# KiCad board zone-controller.kicad_pcb (continued)
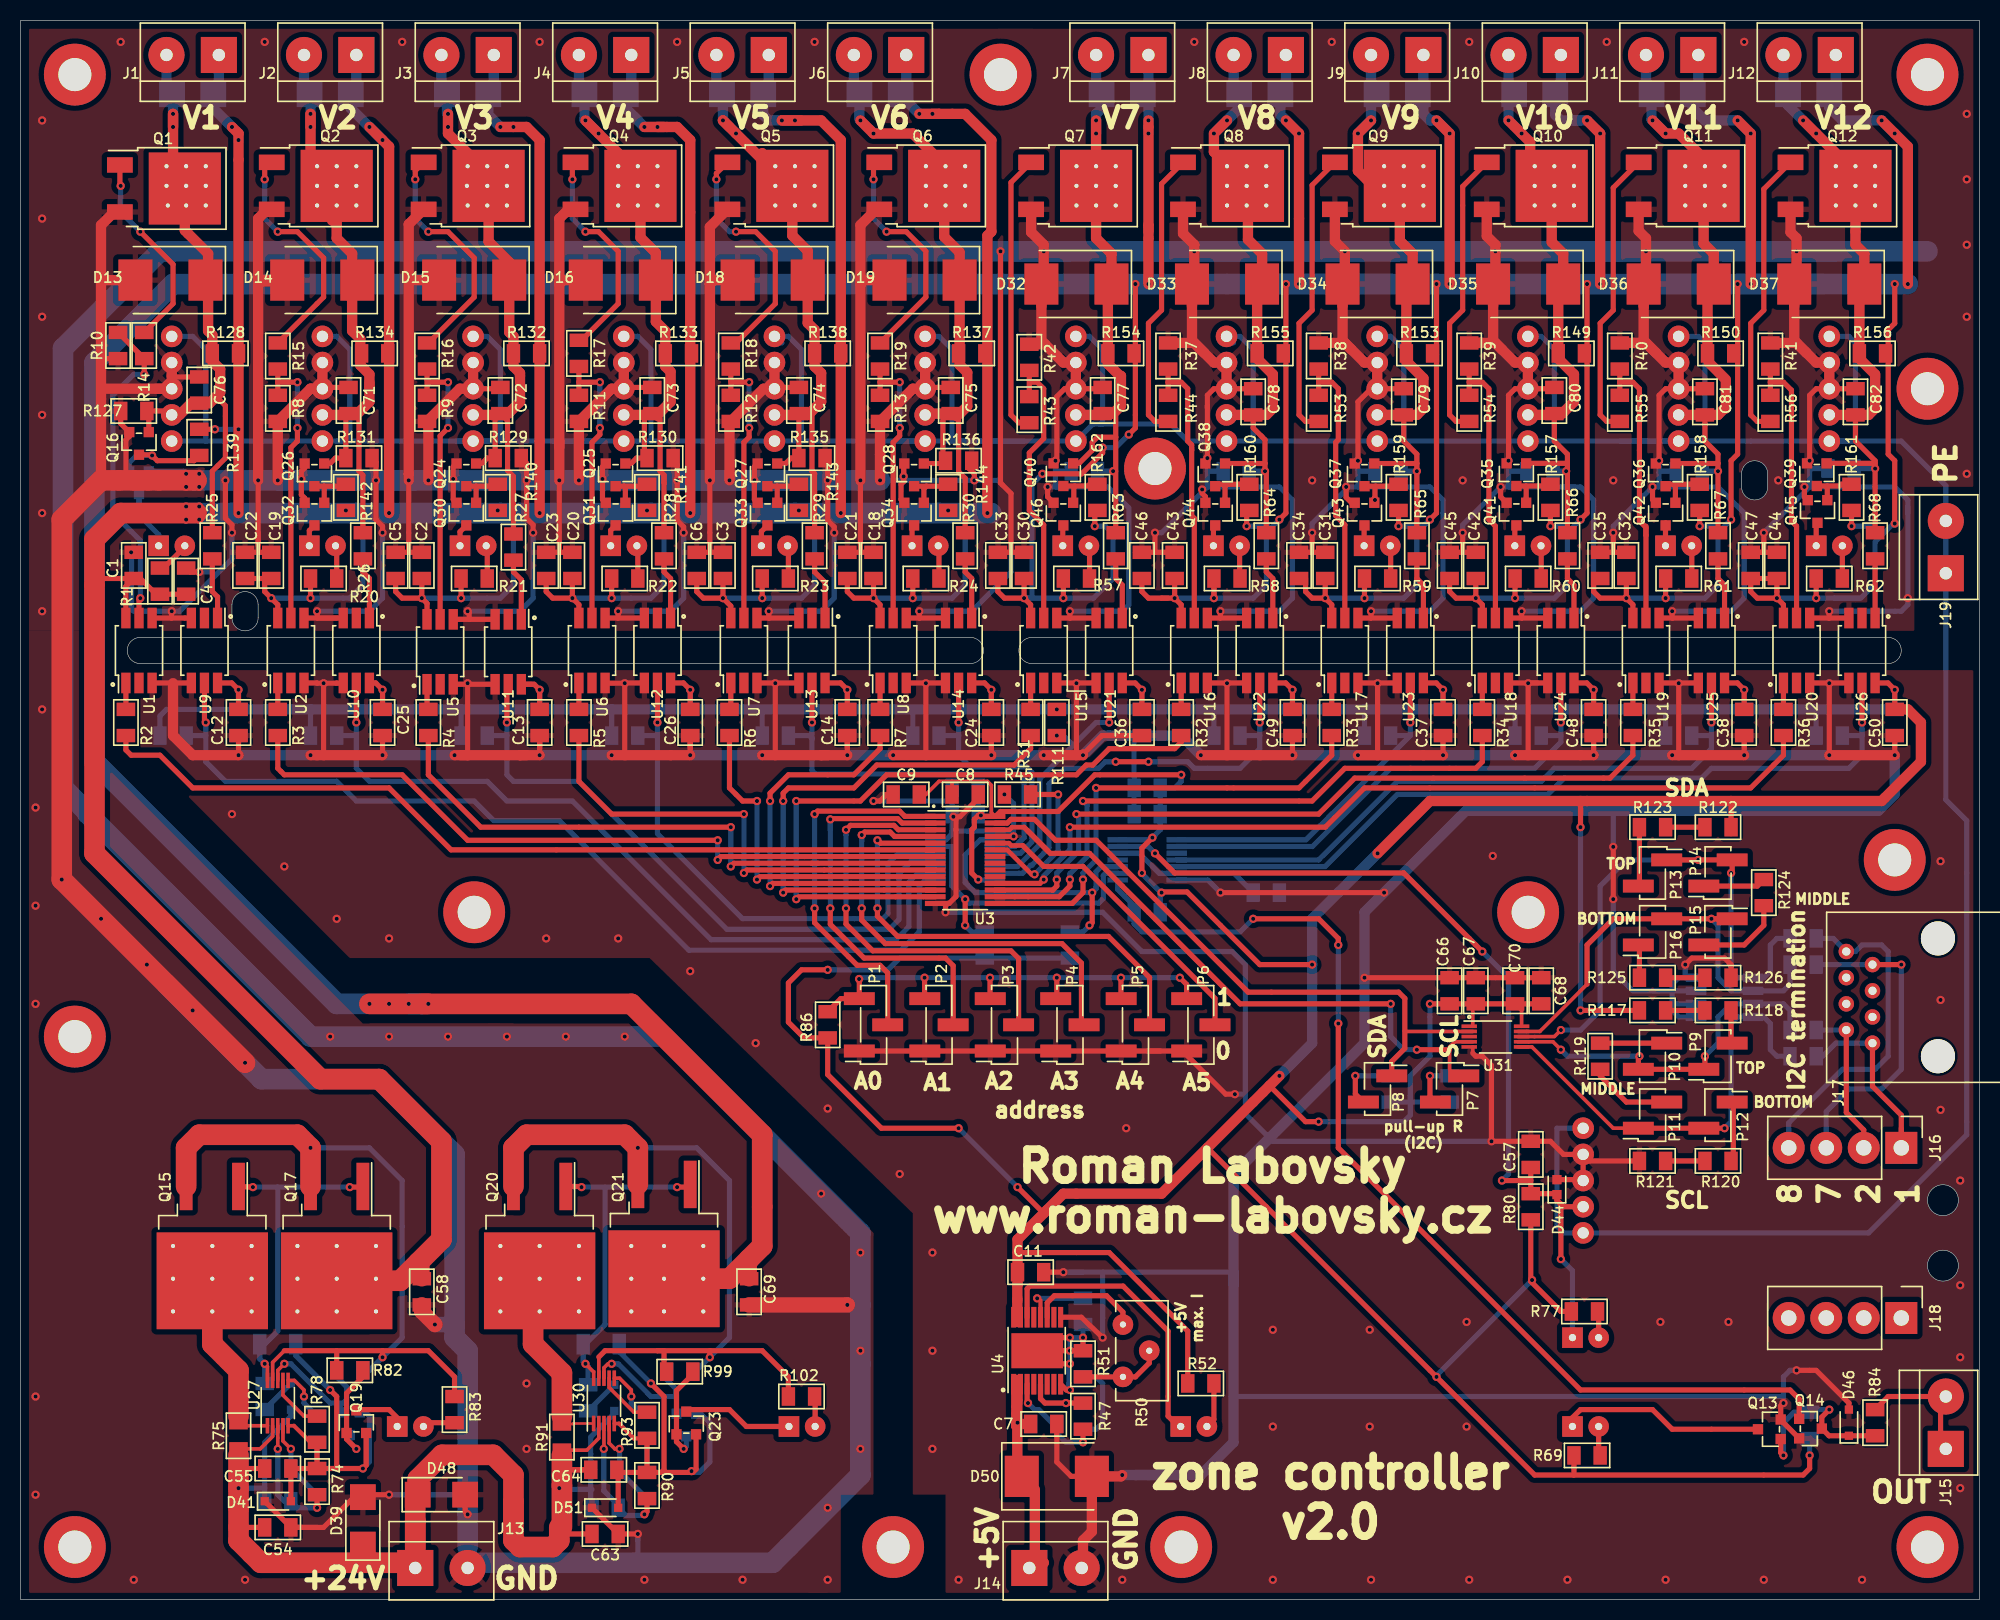
[diagram p0: board, top side]
## Routing (per net, layer and track width the routed paths; a pad name or vN(x,y) marks a point on that pad's centre or on a via; arc(x,y) is an arc through that point) (continued)
  Top w0.5: v1(165.28,45.72) 156.92,45.72
  Bottom w0.5: 168.45,56.51 167.4,56.51 ; v1(165.28,45.72) 165.91,46.35 165.91,55.88 166.55,56.51 D52.4 169.09,56.51 169.72,55.88 169.72,53.34 170.36,52.7 R97.2
/Differential I2C bus/DSCL_N_CON: length 21.1
  Top w0.5: 182.42,45.72 182.42,42.54 J16.1 182.42,46.99 179.63,49.78 J17.1
  Bottom w0.5: 174.81,52.7 176.08,53.98 J17.1
/Differential I2C bus/DSCL_P: length 44.9
  Top w0.35: 145.25,54.11 148.63,54.11 v1(149.4,53.34)
  Top w0.5: v1(163.38,52.7) 163.38,51.54 P9.1 P10.2 156.92,52.6 v1(157.02,52.7)
  Bottom w0.25: 153.21,52.7 v1(157.02,52.7) ; 153.21,52.7 150.67,52.7 ; 153.21,52.7 150.04,52.7
  Bottom w0.5: v1(157.02,52.7) 150.04,52.7 v1(149.4,53.34) ; v1(163.38,52.7) 164.64,53.97 164.64,56.51 165.91,57.78 D52.3 171,57.78 171.63,57.15 R96.2
/Differential I2C bus/DSCL_P_CON: length 16.3
  Top w0.5: J17.2 177.09,47.24 178.78,45.55 178.78,42.54
  Bottom w0.5: 177.09,55.25 J17.2 174.17,55.25 R96.1
/Differential I2C bus/DSDA_N: length 45.2
  Top w0.35: 151.94,59.69 147.36,55.11 145.25,55.11
  Top w0.5: 151.94,59.69 151.94,63.5 154.48,66.04 P16.2 P15.1 v1(164.01,66.04)
  Bottom w0.5: R95.2 171.63,59.69 171,59.05 165.91,59.05 164.64,60.32 164.64,65.41 v1(164.01,66.04)
/Differential I2C bus/DSDA_N_CON: length 30.9
  Top w0.5: v1(182.42,61.59) 179.63,61.6
  Bottom w0.5: v1(182.42,61.59) 182.42,51.44 180.52,49.53 177.34,49.53 175.14,47.33 J16.3 ; 179.63,61.6 174.17,61.6 R95.1
/Differential I2C bus/DSDA_P: length 59.7
  Top w0.35: 145.25,54.61 148.77,54.61 ; v1(149.4,55.25) 148.85,54.69
  Top w0.5: P13.1 v1(162.74,71.75) P14.2 166.02,70.59 v1(165.91,70.48)
  Bottom w0.5: 168.45,60.32 166.55,60.32 ; v1(162.74,71.75) 155.75,71.75 153.21,69.22 153.21,57.15 151.31,55.25 v1(149.4,55.25) ; 166.55,60.32 D52.1 169.09,60.32 169.72,60.96 169.72,63.5 170.36,64.13 R94.2 ; 166.55,60.32 165.91,60.96 v1(165.91,70.48)
/Differential I2C bus/DSDA_P_CON: length 36
  Bottom w0.5: R94.1 175.82,64.13 J17.8 177.98,62.87 178.61,63.5 180.52,63.5 181.15,62.86 181.15,52.7 179.88,51.44 176.71,51.44 171.5,46.23 J16.4 ; 171.5,42.54 171.5,45.59
/Power supply/INPUT_24V: length 124.8
  Top w0.35: 24.45,15.81 23.24,14.6 R75.2 ; 24.45,15.84 U27.2 ; U30.2 56.08,15.64 54.92,14.48 R91.2
  Top w0.5: 23.04,6.98 C54.1 21.14,6.98 ; 52.5,12.06 53.01,12.57 53.65,12.57 ; 55.68,12.57 53.65,12.57 ; 53.65,12.57 C64.2 ; C63.1 53.14,6.35 52.5,6.98 52.63,6.86 ; 21.14,13.33 21.77,12.7 C55.2
  Top w2: 38.28,7.62 38.28,9.92 D48.1 38.52,11.67 40.87,14.02 45.85,14.02 47.8,12.06 47.8,9.53 ; 38.28,7.62 38.28,5.08 ; 38.28,7.62 38.28,3.56 33.58,3.56 ; 47.8,9.53 47.8,5.72 48.44,5.08 51.61,5.08 52.25,5.72 52.25,6.98 ; 47.8,9.53 47.8,7.62 ; 21.14,13.97 v1(21.14,10.79) 21.14,5.72 23.29,3.56 33.58,3.56 ; 33.58,3.56 33.83,3.81 ; 33.58,3.56 33.2,3.94 D39.1 ; 52.5,6.98 52.5,13.97
  Bottom w0.5: D49.1 57.58,18.03 55.3,15.75 C64.2 55.3,10.67 ; 23.67,10.79 C55.2 23.67,15.24 26.21,17.78 D40.1 ; 23.67,10.79 R73.1 ; 23.67,10.79 v1(21.14,10.79) ; 55.3,10.67 52.63,10.67 52.5,10.79 ; 55.3,10.67 55.3,9.02 R89.1 ; 52.89,10.67 55.42,10.67
  vias: v1(52.25,10.79)
/PUMP_ACTIVE_0: length 17.4
  Top w0.5: R84.2 D46.1 175.41,15.88 Q14.3 174.72,17.69 v1(175.44,18.41) ; v1(171,13.97) 170.72,14.24 Q13.1
  Bottom w0.5: v1(171,13.97) 171,17.14 172.01,18.16 R72.2 173.79,18.41 v1(175.44,18.41)
/PUMP_SWITCH: length 87.9
  Top w0.5: 146.48,40.64 v1(143.69,40.64) ; 146.48,40.64 R80.2 148.93,39.37 D44.1 149.02,38.73 149.34,38.42 ; 146.48,40.64 C57.1 ; 149.34,38.42 149.66,38.1 SW13.2 ; 149.34,38.42 149.4,38.35 v1(149.4,33.02) ; v1(141.78,62.86) 134.16,70.48 111.94,70.48 v1(110.03,72.39)
  Bottom w0.5: v1(141.78,62.86) 144.32,60.32 144.32,41.28 v1(143.69,40.64) ; U29.13 109.37,73.05 v1(110.03,72.39) ; D42.1 150.53,31.9 v1(149.4,33.02)
Earth_Protective: length 479.3
  Bottom w0.5: SW10.5 147.5,122.55 148.77,121.28 148.77,112.39 ; 104.7,114.05 111.56,114.05 113.21,112.39 119.56,112.39 ; 104.7,114.05 104.01,114.05 SW7.1 ; 104.7,114.05 104.95,114.05 104.95,121.28 103.68,122.55 SW7.5 ; 17.96,112.39 14.02,112.39 ; 17.96,112.39 17.96,121.28 16.69,122.55 SW1.5 ; 17.96,112.39 31.93,112.39 31.93,121.28 30.66,122.55 28.75,122.55 ; 90.98,112.39 SW7.1 ; SW7.1 102.8,112.39 103.18,112.78 ; 44.63,112.39 46.53,112.39 ; 46.53,112.39 56.7,112.39 ; 46.53,112.39 46.53,121.28 45.27,122.55 SW3.5 ; 91.62,112.39 90.35,112.39 90.35,121.28 89.08,122.55 SW6.5 ; SW13.5 149.02,45.72 149.02,36.19 149.66,35.56 179.25,35.56 188.77,45.08 188.77,75.56 186.74,77.6 J19.2 186.74,108.08 182.42,112.39 SW12.1 ; 119.56,112.39 119.56,121.28 118.29,122.55 SW8.5 ; 119.56,112.39 134.16,112.39 ; 75.74,112.39 75.74,121.28 74.47,122.55 SW5.5 ; 75.74,112.39 97.33,112.39 ; 75.74,112.39 66.86,112.39 ; 155.12,112.39 177.98,112.39 177.98,121.92 177.34,122.55 SW12.5 ; 134.16,112.39 148.77,112.39 ; 134.16,112.39 134.16,121.28 132.89,122.55 SW9.5 ; 148.77,112.39 160.83,112.39 ; 73.2,122.55 73.84,121.92 ; 101.78,122.55 102.42,121.92 ; 160.2,122.55 162.74,122.55 163.38,121.92 163.38,112.39 160.2,112.39 ; SW4.5 59.87,122.55 61.14,121.28 61.14,112.39 ; 51.61,112.39 61.14,112.39 ; 117.02,122.55 117.65,121.92 ; 42.22,112.39 45.9,112.39 ; 84.64,112.39 87.81,112.39 ; 30.66,112.39 45.39,112.39 ; 87.17,122.55 87.81,121.92 ; 61.14,112.39 67.49,112.39
LED0_IN: length 83.9
  Top w0.5: R2.2 10.21,82.42 10.72,81.91 13.52,81.91 16.69,78.74 35.74,78.74 41.75,72.73 U3.6
LED0_IN_24V: length 31.8
  Top w0.5: v1(11.61,97.15) 11.48,97.03 U1.5 ; v1(11.99,118.87) R14.2 R10.1
  Bottom w0.5: v1(11.99,118.87) 10.97,118.87 8.94,116.84 8.94,105.41 11.61,102.74 v1(11.61,97.15)
LED0_OUT_5V: length 94.6
  Top w0.4: 17.96,88.8 U9.5
  Top w0.5: U9.5 17.83,85.22 v1(17.96,85.09)
  Bottom w0.4: 87.76,69.8 U28.1
  Bottom w0.5: 17.96,83.82 17.96,81.28 19.86,79.38 30.66,79.38 32.56,77.47 43.99,77.47 45.9,75.56 52.25,75.56 64.82,62.99 85.4,62.99 87.17,64.77 87.17,69.22 87.71,69.75 88.76,69.75 ; 17.96,83.82 v1(17.96,85.09) ; 17.96,83.82 R79.2
LED0_OUT_24V: length 71.4
  Top w0.5: 14.4,136.71 14.6,136.91 15.23,136.27 ; 18.92,103.69 19.1,103.5 ; Q16.1 12.43,115.13 R127.1 14.28,115.32 SW1.2 ; 17.83,127.22 17.42,127.63 ; R25.2 18.59,109.47 19.86,110.74 19.86,115.82 18.98,116.71 ; Q1.3 15.93,139.7
  Top w1: Q1.3 14.78,138.05 v1(14.78,144.14) v1(14.78,142.88) ; Q1.3 15.93,139.83 ; Q1.3 15.93,132.84 18.18,130.58 18.18,123.09 18.59,122.68 R128.2 18.59,120.14 19.36,119.38 19.36,117.09 18.34,116.08 16.56,116.08 15.42,114.93 SW1.2 14.78,115.06 ; Q1.3 17.42,135.41
  Bottom w0.25: 14.15,146.59 14.16,146.58
  Bottom w0.5: 14.4,114.93 SW1.2
  Bottom w1: J1.2 14.15,146.59 ; D2.2 14.78,145.95 v1(14.78,142.88)
LED1_IN: length 71.9
  Top w0.4: 75.42,72.08 75.42,72.08
  Top w0.5: 75.42,72.08 67.94,72.08 v1(67.62,71.75) ; U3.7 75.42,72.08 ; R3.2 24.95,80.64 25.58,80.01 37.01,80.01 43.36,73.66 v1(67.62,73.66)
  Bottom w0.5: v1(67.62,71.75) v1(67.62,73.66)
LED1_IN_24V: length 27.6
  Top w0.5: R15.2 24.95,118.11 ; 24.95,118.11 R8.1 ; 24.95,118.11 v1(26.85,118.11) ; v1(26.85,113.66) 26.85,112.39 26.21,111.76 U2.5
  Bottom w0.5: v1(26.85,118.11) v1(26.85,113.66)
LED1_OUT_5V: length 78.5
  Top w0.5: U10.5 v1(32.56,85.09)
  Bottom w0.5: U28.2 87.02,70.45 86.16,69.6 86.16,65.28 84.89,64.01 66.98,64.01 53.52,77.47 47.17,77.47 45.27,79.38 33.83,79.38 32.56,80.64 32.56,83.82 ; v1(32.56,85.09) 32.56,83.82 ; 32.56,83.82 R106.2
LED1_OUT_24V: length 75.5
  Top w0.5: 32.69,115.06 32.82,114.93 32.82,109.47 33.2,109.09 R26.2 ; C71.2 31.55,114.81 R131.1 30.53,110.74 30.01,110.22 Q26.1 ; 33.33,115.82 32.56,115.06 31.93,115.06 31.8,114.93 28.75,114.93
  Top w1: 33.83,117.6 33.83,118.11 ; 33.83,117.6 33.83,118.87 32.95,119.76 32.95,122.3 32.15,123.09 32.15,130.58 30.66,132.08 Q2.3 ; 33.83,117.6 33.83,116.2 33.45,115.82 ; v1(28.12,142.88) v1(28.12,144.14) 28.12,139.26 30.22,137.16 ; 28.75,114.93 32.44,114.93 ; 30.22,133.79 30.22,137.16 ; 30.22,137.16 30.22,138.87 ; 30.22,137.16 31.52,135.86 ; C71.2 32.69,115.06 33.33,115.7
  Bottom w1: v1(28.12,142.88) 28.12,145.95 D3.2 27.48,146.59 J2.2
LED2_IN: length 59.7
  Top w0.4: 77.34,71.43 76.69,71.43
  Top w0.5: v1(68.89,71.12) 69.2,71.43 U3.8 ; R4.2 39.55,80.01 44.63,74.93 v1(68.89,74.93)
  Bottom w0.5: v1(68.89,71.12) v1(68.89,74.93)
LED2_IN_24V: length 28
  Top w0.5: R9.1 39.42,118.36 ; 39.42,118.36 39.68,118.11 v1(41.45,118.11) ; 39.42,118.36 R16.2 ; v1(41.45,113.66) 40.69,112.9 U5.5
  Bottom w0.5: v1(41.45,113.66) v1(41.45,118.11)
LED2_OUT_5V: length 63.9
  Top w0.5: v1(47.17,85.09) 47.17,88.67 U11.5
  Bottom w0.5: v1(47.17,85.09) 47.17,83.82 ; 47.17,83.82 47.17,80.01 47.8,79.38 54.15,79.38 68.51,65.02 84.25,65.02 85.2,65.97 85.2,70.42 86.54,71.75 U28.4 ; 47.17,83.82 R110.2
LED2_OUT_24V: length 65.5
  Top w0.5: Q24.1 44.74,110.22 45.27,110.74 R129.1 46.03,114.55 C72.2 47.23,114.36 47.23,109.54 47.8,108.97 R27.2
  Top w1: 45.27,136.08 44.19,137.16 ; 44.19,137.16 44.19,139.5 41.45,142.24 v1(41.45,144.14) ; 44.19,137.16 44.19,138.87 ; Q3.3 45.39,131.77 47.39,129.76 D15.1 47.39,122.96 47.8,122.55 R132.2 47.8,119.63 48.44,119 48.44,116.2 47.3,115.06 C72.2 46.41,114.93 SW3.2
  Bottom w0.5: 41.58,146.59 42.12,146.05
  Bottom w1: J3.2 40.82,146.59 D4.2 41.36,144.24 v1(41.45,144.14) v1(41.45,142.88)
LED3_IN: length 46.2
  Top w0.5: R5.2 54.15,79.38 57.33,76.2 v1(70.16,76.2) ; U3.9 70.45,70.78 v1(70.16,70.48)
  Bottom w0.5: v1(70.16,70.48) v1(70.16,76.2)
LED3_IN_24V: length 28
  Top w0.5: v1(56.19,113.66) 56.19,113.03 55.42,112.27 U6.5 ; R11.1 54.15,118.11 ; 54.15,118.11 54.15,119.63 ; 54.15,118.11 v1(56.19,118.11)
  Bottom w0.5: v1(56.19,118.11) v1(56.19,113.66)
LED3_OUT_5V: length 52.4
  Top w0.5: U12.5 v1(61.77,85.09)
  Bottom w0.5: R114.2 61.77,83.82 ; 61.77,83.82 v1(61.77,85.09) ; 61.77,83.82 61.77,74.29 70.01,66.06 83.63,66.06 84.13,66.55 84.13,71.37 85.16,72.41 U28.5
LED3_OUT_24V: length 66.5
  Top w0.5: 62.03,114.55 62.03,109.47 62.41,109.09 62.41,108.33 ; 61.14,114.93 C73.2 61.77,114.55 ; R28.2 62.41,108.33 ; 62.41,108.33 62.41,108.84 ; Q25.1 59.22,110.22 59.74,110.74 60.5,110.74 60.5,114.81 60.38,114.93
  Top w1: 61.14,114.93 SW4.2 ; C73.2 61.9,115.06 63.05,116.2 63.05,119.13 62.54,119.63 62.54,123.06 61.62,123.98 D16.1 61.62,130.65 60.12,132.15 Q4.3 ; v1(54.79,143.51) v1(56.06,142.24) 58.16,140.14 58.16,137.16 ; 58.16,138.87 58.16,137.16 ; 58.16,137.16 59.87,135.45
  Bottom w1: v1(56.06,142.24) v1(54.79,143.51) 54.7,143.6 D5.2 54.15,146.59 J4.2 ; 54.84,143.46 54.93,143.37 54.84,143.46
LED4_IN: length 33.6
  Top w0.4: 71.71,70.13 v1(71.43,69.85)
  Top w0.5: U3.10 71.71,70.13 ; R6.2 68.76,78.74 70.03,77.47 v1(71.43,77.47) ; 71.66,70.08 v1(71.43,69.85)
  Bottom w0.5: v1(71.43,69.85) v1(71.43,77.47)
LED4_IN_24V: length 27.5
  Top w0.5: R12.1 68.89,118.24 ; 68.89,118.24 69.01,118.11 v1(70.67,118.11) ; 68.89,118.24 R18.2 ; U7.5 70.16,112.27 70.67,112.78 v1(70.67,113.66)
  Bottom w0.5: v1(70.67,118.11) v1(70.67,113.66)
LED4_OUT_5V: length 41.4
  Top w0.5: U13.5 76.76,85.34
  Bottom w0.4: 96.06,73.03 95.83,73.03
  Bottom w0.5: 96.82,73.42 96.45,73.05 95.8,73.05 ; 96.82,73.42 97.08,73.68 ; 96.82,73.42 96.84,73.42 97.33,73.91 97.33,79.66 96.9,80.09 77.1,80.09 76.76,80.42 76.76,83.57 ; 76.76,83.57 76.51,83.82 R103.2 ; 76.76,83.57 v1(76.76,85.09) ; U28.9 96.08,73.05
LED4_OUT_24V: length 68
  Top w0.5: 76.63,115.19 76.76,115.06 76.76,109.47 77.02,109.22 R29.2 ; C74.2 R135.1 74.73,110.74 74.2,110.22 Q27.1
  Top w1: SW5.2 76.38,114.93 77.65,116.2 77.65,119 77.02,119.63 77.02,123.19 76.35,123.85 D18.1 76.35,130.84 74.86,132.33 Q5.3 ; 71.93,139.06 71.93,137.16 ; 71.93,137.16 71.93,140.33 ; 71.93,137.16 71.93,139.7 v1(69.39,142.24) v1(68.12,143.51) 68.76,142.88
  Bottom w1: v1(69.39,142.24) v1(68.12,143.51) 68.12,145.95 D6.2 67.49,146.59 J5.2
LED5_IN: length 38.9
  Top w0.35: 88.69,69.46 88.71,69.48 U3.11
  Top w0.5: v1(72.7,77.47) 72.7,78.23 74.47,80.01 80.83,80.01 83.36,82.55 R7.2 ; v1(72.7,69.22) 72.96,69.48 U3.11
  Bottom w0.5: v1(72.7,69.22) v1(72.7,77.47)
LED5_IN_24V: length 28.3
  Top w0.5: 83.36,118.11 R19.2 ; 83.36,118.11 v1(85.27,118.11) ; 83.36,118.11 R13.1 ; U8.5 84.64,112.27 85.27,112.9 v1(85.27,113.66) ; 84.66,95.22 84.66,95.86 84.64,95.88
  Bottom w0.5: v1(85.27,118.11) v1(85.27,113.66)
LED5_OUT_5V: length 27.8
  Top w0.5: v1(90.98,85.09) U14.5
  Bottom w0.5: U28.10 96.99,72.41 97.67,73.08 ; R107.2 90.98,83.82 ; 90.98,83.82 90.98,81.91 92.11,80.79 97.57,80.79 98.1,80.26 98.1,73.51 97.67,73.08 ; 90.98,83.82 v1(90.98,85.09) ; 97.67,73.08 97.84,73.25
LED5_OUT_24V: length 65.5
  Top w0.5: 90.98,114.55 90.98,109.42 91.62,108.79 R30.2 ; Q28.1 89.19,110.22 89.46,110.49 89.46,115.06 ; 90.73,114.55 C75.2
  Top w1: SW6.2 87.87,115.06 C75.2 91.11,115.06 91.82,115.77 91.82,119.05 91.08,119.79 D19.1 91.08,130.71 89.59,132.21 Q6.3 89.59,139.19 86.54,142.24 v1(82.73,142.24) v1(81.46,143.51)
  Bottom w1: 81.36,143.6 D7.2 80.83,146.59 J6.2 ; v1(82.73,142.24) v1(81.46,143.51)
LED6_IN: length 51.6
  Top w0.5: U3.12 74.22,68.83 v1(73.97,68.58) ; v1(73.97,77.47) 73.97,78.23 74.47,78.74 80.83,78.74 83.05,80.96 96.38,80.96 97.97,82.55 R31.2
  Bottom w0.5: v1(73.97,68.58) v1(73.97,77.47)
LED6_IN_24V: length 28.2
  Top w0.5: 97.97,118.11 98.61,118.11 99.24,117.47 99.24,112.65 97.84,111.25 97.84,105.66 99.24,104.27 U15.5 ; R43.2 R42.1 ; 99.24,95.88 99.21,95.86 99.21,95.22
LED6_OUT_5V: length 26.4
  Top w0.5: v1(105.59,85.09) U21.5
  Bottom w0.5: 102.1,82.87 98.86,79.63 98.86,73.28 96.68,71.1 U28.12 ; 102.1,82.87 101.14,83.82 v1(100.51,83.82) ; 102.1,82.87 104.32,85.09 v1(105.59,85.09)
LED6_OUT_24V: length 62.1
  Top w0.5: v1(105.97,109.47) 106.22,109.47 ; R63.2 106.22,112.78 ; 106.22,112.78 106.22,115.57 ; 106.22,112.78 104.45,112.78 103.94,112.27 103.94,111.51 102.67,110.24 Q40.1
  Top w1: C77.2 105.97,115.06 106.73,115.82 106.73,118.72 106.63,118.72 105.46,119.89 105.46,127.28 D32.1 105.81,130.58 104.32,132.08 v1(104.32,143.51) ; C77.2 104.83,114.93 SW7.2 ; C77.2 105.72,115.06
  Bottom w0.5: v1(105.97,109.47) R152.1
  Bottom w1: J7.2 104.32,146.59 D20.2 104.86,144.69 104.32,144.14 v1(104.32,143.51) v1(104.32,142.24)
LED7_IN: length 63.4
  Top w0.4: 75.47,68.18 v1(75.24,67.94)
  Top w0.5: 75.47,68.18 U3.13 ; R32.2 112.58,83.18 111.94,82.55 105.59,82.55 104,80.96 103.37,80.96 102.42,80.01 84,80.01 81.46,77.47 v1(75.24,77.47)
  Bottom w0.5: v1(75.24,67.94) v1(75.24,77.47)
LED7_IN_24V: length 27.5
  Top w0.5: 111.3,118.11 112.58,118.11 113.21,117.47 113.21,112.39 113.59,112.01 113.59,111.51 ; 111.3,118.11 R37.1 ; 111.3,118.11 R44.2 ; 113.59,111.51 113.59,111.76 ; 113.59,111.51 113.59,105.16 113.84,104.9 U16.5
LED7_OUT_5V: length 43.2
  Top w0.5: v1(120.2,85.09) U22.5 ; v1(109.4,81.28) v1(106.22,81.28)
  Bottom w0.25: 97.33,70.6 97.33,70.6
  Bottom w0.5: 97.33,70.6 97.98,71.24 98.09,71.24 99.37,72.54 99.75,72.92 99.75,79.12 101.27,80.64 104.57,80.64 105.21,81.28 v1(106.22,81.28) ; R115.2 120.2,83.82 ; 120.2,83.82 v1(120.2,85.09) ; 120.2,83.82 120.2,82.55 118.29,80.64 113.84,80.64 113.21,81.28 v1(109.4,81.28) ; U28.13 97.19,70.45 97.33,70.6
LED7_OUT_24V: length 63.4
  Top w0.5: 120.7,110.24 120.69,110.22 Q38.1 ; 120.7,110.24 v1(120.7,109.47) ; 120.7,110.24 120.7,112.52 120.32,112.9 ; C78.2 119.56,113.66 120.32,112.9 ; 120.32,112.9 120.45,112.78 ; R64.2 120.83,109.35
  Top w1: SW8.2 C78.2 120.83,114.93 121.46,115.57 121.46,118.87 119.94,120.4 119.94,127.16 D33.1 120.42,130.58 119.05,131.95 119.05,137.16 115.75,140.46 v1(115.75,142.24) ; 115.95,142.44 v1(117.02,143.51)
  Bottom w0.5: v1(120.7,109.47) R148.1
  Bottom w1: D21.2 118.2,145.32 ; D21.2 117.65,146.59 J8.2 ; D21.2 117.65,145.51 ; D21.2 118.2,144.69 v1(117.02,143.51) v1(115.75,142.24)
LED8_IN: length 45.7
  Top w0.5: v1(103.05,69.85) 103.05,68.58 102,67.53 U3.15 ; v1(104.32,78.74) 124,78.74 127.18,81.91 R33.2
  Bottom w0.5: v1(104.32,78.74) 104.32,71.75 103.05,70.48 v1(103.05,69.85)
LED8_IN_24V: length 27.4
  Top w0.5: 125.91,118.11 R53.2 ; 125.91,118.11 R38.1 ; 125.91,118.11 127.18,118.11 127.81,117.47 127.81,112.52 127.56,112.27 127.56,105.16 128.45,104.27 U17.5
LED8_OUT_5V: length 33.8
  Top w0.5: U23.5 v1(134.8,85.09)
  Bottom w0.5: R104.2 134.8,83.82 ; 134.8,83.82 124.74,73.76 ; 134.8,83.82 v1(134.8,85.09) ; 124.68,73.7 U29.1
LED8_OUT_24V: length 61.6
  Top w0.5: C79.2 134.16,112.39 135.44,111.12 135.44,110.24 ; 135.44,110.24 135.42,110.22 Q37.1 ; 135.44,110.24 R65.2
  Top w1: Q9.3 133.78,131.83 135.02,130.58 D34.1 134.42,127.03 R153.2 134.42,120.14 136.07,118.49 136.07,115.57 135.44,114.93 C79.2 SW9.2 ; v1(130.99,143.51) v1(129.72,142.24) 129.72,138.62 131.19,137.16
  Bottom w0.5: v1(135.44,109.47) R147.1
  Bottom w1: J9.2 130.99,146.59 D22.2 ; D22.2 130.99,145.51 v1(130.99,143.51) v1(129.72,142.24) ; D22.2 131.62,145.95
LED9_IN: length 59.7
  Top w0.5: R34.2 141.78,81.28 141.15,80.64 128.45,80.64 125.27,77.47 v1(103.05,77.47) ; U3.16 100.74,68.18 101.78,69.22 v1(101.78,69.85)
  Bottom w0.5: v1(103.05,77.47) 103.45,77.07 103.45,72.09 101.78,70.42 v1(101.78,69.85)
LED9_IN_24V: length 27.2
  Top w0.5: 140.51,118.11 R39.1 ; 140.51,118.11 R54.2 ; 140.51,118.11 141.78,118.11 142.42,117.47 142.42,104.77 143.06,104.14 U18.5
LED9_OUT_5V: length 49.1
  Top w0.5: U24.5 v1(149.4,85.09)
  Bottom w0.5: U29.2 125.3,73.05 132.89,80.64 146.86,80.64 149.4,83.18 149.4,83.82 ; v1(149.4,85.09) 149.4,83.82 ; 149.4,83.82 147.5,83.82
LED9_OUT_24V: length 62.9
  Top w0.5: 150.04,110.11 150.04,111.12 148.77,112.39 C80.2 ; 150.04,110.11 149.91,110.24 Q35.1 ; 150.04,110.11 R66.2
  Top w1: SW10.2 148.64,114.93 C80.2 149.53,115.06 150.67,116.2 150.67,118.87 149.15,120.4 R149.2 149.15,127.16 D35.1 149.63,130.58 148.52,131.7 Q10.3 ; 146.42,139.5 146.42,137.16 146.42,141.41 v1(145.59,142.24) v1(144.32,143.51)
  Bottom w0.5: v1(149.91,109.47) R145.1
  Bottom w1: v1(145.59,142.24) v1(144.32,143.51) 144.32,145.51 D23.2 ; D23.2 144.32,146.59 J10.2 ; D23.2 144.96,145.95
LED10_IN: length 72.3
  Top w0.5: U3.17 100.12,68.83 100.51,69.22 v1(100.51,69.85) ; v1(102.42,76.2) 125.91,76.2 129.4,79.69 154.17,79.69 156.39,81.91 R35.2
  Bottom w0.5: v1(102.42,76.2) 102.63,75.98 102.63,72.61 100.51,70.48 v1(100.51,69.85)
LED10_IN_24V: length 28.1
  Top w0.5: 157.66,103.25 157.66,104.14 ; 157.66,103.25 U19.5 ; 157.66,103.25 157.66,104.01 157.02,104.65 157.02,117.47 156.39,118.11 155.12,118.11 ; R55.2 155.12,118.11 ; 155.12,118.11 R40.1
LED10_OUT_5V: length 65.3
  Top w0.5: v1(164.01,85.09) U25.5
  Bottom w0.5: R112.2 164.01,83.82 ; 164.01,83.82 164.01,82.55 162.1,80.64 154.48,80.64 ; 164.01,83.82 v1(164.01,85.09) ; 155.12,80.64 148.77,80.64 147.5,79.38 133.53,79.38 125.91,71.75 U29.4
LED10_OUT_24V: length 66.8
  Top w0.5: 164.64,110.24 164.63,110.22 Q36.1 ; 164.64,110.24 164.64,111.12 163.38,112.39 C81.2 ; 164.64,110.24 R67.2
  Top w1: 161.66,138.87 161.66,137.16 161.66,140.14 ; R150.2 163.63,127.03 D36.1 164.23,130.58 163.25,131.57 Q11.3 163.25,139.83 160.83,142.24 v1(159.56,142.24) v1(158.29,143.51) ; 165.41,118.36 163.76,120.01 ; SW11.2 C81.2 164.64,114.93 165.28,115.57 165.41,115.57 165.41,118.24
  Bottom w0.5: v1(164.64,109.47) R146.1
  Bottom w1: D24.2 157.66,146.59 J11.2 ; D24.2 158.2,143.6 v1(159.56,142.24) ; D24.2 158.29,145.95
LED11_IN: length 86
  Top w0.35: 97.41,69.48 96.96,69.48 97.46,69.48
  Top w0.5: v1(101.78,74.93) 126.55,74.93 130.36,78.74 167.82,78.74 171,81.91 R36.2 ; U3.18 98.87,69.48 v1(99.24,69.85)
  Bottom w0.5: v1(99.24,69.85) 99.24,70.2 101.78,72.74 v1(101.78,74.93)
LED11_IN_24V: length 27.2
  Top w0.5: R56.2 169.72,118.11 ; 169.72,118.11 171,118.11 171.77,117.33 171.77,104.63 172.26,104.14 U20.5 ; 169.72,118.11 R41.1
LED11_OUT_5V: length 80.5
  Top w0.5: U26.5 v1(178.61,85.09)
  Bottom w0.5: R116.2 178.61,83.82 ; 178.61,83.82 178.61,84.45 ; 178.61,83.82 v1(178.61,85.09) ; 178.61,83.82 178.61,81.91 177.34,80.64 164.01,80.64 163.06,79.69 149.72,79.69 148.13,78.1 133.53,78.1 126.53,71.1 U29.5
LED11_OUT_24V: length 63.9
  Top w0.5: C82.2 177.98,112.39 179.88,110.49 179.88,110.24 ; R68.2 179.88,110.24 ; 179.88,110.24 Q39.1
  Top w1: Q12.3 177.98,138.43 v1(174.17,142.24) v1(172.9,143.51) ; Q12.3 177.98,139.06 ; Q12.3 177.98,131.44 178.84,130.58 D37.1 178.36,127.16 R156.2 178.36,120.4 179.88,118.87 179.88,115.57 179.25,114.93 C82.2 SW12.2
  Bottom w0.5: v1(179.88,109.73) R151.1
  Bottom w1: v1(172.9,143.51) 171.44,144.97 D25.2 171,146.5 J12.2
SCL: length 65.2
  Top w0.25: 138.61,51.44 139.25,50.8 P7.1
  Top w0.35: 138.61,51.44 138.61,53.61 139.11,54.11 140.85,54.11 ; U3.26 95.92,74.68
  Top w0.45: 95.87,74.68 U3.26 ; 95.92,74.68 96.17,74.93 97.33,74.93
  Top w0.5: 97.33,74.93 99.62,72.64 ; 99.62,72.64 99.87,72.39 103.68,72.39 118.29,57.78 v1(132.89,57.78) ; 99.62,72.64 97.64,74.63 ; 135.65,53.34 138.61,53.34
  Bottom w0.5: v1(132.89,57.78) 132.89,54.61 134.16,53.34 v1(135.44,53.34)
SDA: length 61.7
  Top w0.35: 134.27,55.14 134.3,55.11 140.85,55.11
  Top w0.5: P8.1 133,52.2 134.27,53.47 134.27,58.31 133.66,58.92 119.07,58.92 104.33,73.66 100.38,73.66 98.35,75.69 96.06,75.69 95.7,75.33 U3.27
Net-(D1-A): length 3.4
  Top w0.5: D1.2 15.93,102.14 13.87,100.08 R1.2
Net-(D1-K): length 6.6
  Top w0.5: D1.1 13.39,102.49
  Bottom w0.5: 11.48,106.75 11.48,106.17 ; 11.48,106.17 Q29.3 ; 11.48,106.17 11.48,105.23 13.39,103.32 D1.1
Net-(D8-A): length 3.2
  Top w0.5: R20.2 30.66,102.12 D8.2
Net-(D8-K): length 2.2
  Top w0.5: Q32.3 28,103.71 D8.1
Net-(D9-A): length 3.2
  Top w0.5: D9.2 45.27,102.13 R21.2
Net-(D9-K): length 2.2
  Top w0.5: D9.1 42.62,103.6 Q30.3
Net-(D10-A): length 3.2
  Top w0.5: R22.2 59.87,102.14 D10.2
Net-(D10-K): length 2.2
  Top w0.5: Q31.3 57.24,103.74 D10.1
Net-(D11-A): length 3.2
  Top w0.5: R23.2 74.47,102.15 D11.2
Net-(D11-K): length 2.2
  Top w0.5: D11.1 71.85,103.62 Q33.3
Net-(D12-A): length 3.2
  Top w0.5: D12.2 89.08,102.17 R24.2
Net-(D12-K): length 2.1
  Top w0.5: D12.1 86.47,104.01 Q34.3
Net-(D17-A): length 4.5
  Top w0.5: 115.75,20.95 115.75,17.46 D17.2
Net-(D17-K): length 28.2
  Top w0.5: D17.1 112.3,16.78 111.3,17.78 111.3,26.03 106.94,30.4 97.89,30.4 97.63,30.14 97.63,27.38
Net-(D26-A): length 3.2
  Top w0.5: D26.2 103.68,102.18 R57.2
Net-(D26-K): length 2
  Top w0.5: Q46.3 101.09,104.15 D26.1
Net-(D27-A): length 3.2
  Top w0.5: D27.2 118.24,99.11 R58.2
Net-(D27-K): length 2
  Top w0.5: Q44.3 115.7,104.04 D27.1
Net-(D28-A): length 3.2
  Top w0.5: D28.2 132.89,102.2 R59.2
Net-(D28-K): length 2
  Top w0.5: Q43.3 130.32,104.18 D28.1
Net-(D29-A): length 3.2
  Top w0.5: D29.2 147.5,102.21 147.5,99.06
Net-(D29-K): length 2
  Top w0.5: Q41.3 144.94,104.06 D29.1
Net-(D30-A): length 3.2
  Top w0.5: R61.2 162.1,102.22 D30.2
Net-(D30-K): length 2.2
  Top w0.5: 159.56,104.46 159.55,104.45 D30.1
Net-(D31-A): length 3.2
  Top w0.5: D31.2 R62.2
Net-(D31-K): length 2.3
  Top w0.5: 174.3,104.46 174.17,104.34 174.17,102.23
Net-(D38-A): length 2.9
  Top w0.5: D38.2 153.07,14.12 R69.2
Net-(D38-K): length 20
  Top w0.5: D38.1 150.53,17.63 151.31,18.41 158.29,18.41 160.2,16.51 Q13.3
Net-(D40-A): length 4.2
  Bottom w0.25: R76.2 24.31,18.41
  Bottom w0.5: R76.2 D40.2
Net-(D42-A): length 2.6
  Top w0.5: D42.2 153.07,27.83 R77.2
Net-(D43-K): length 34.8
  Top w0.35: U27.10 23.95,22.59 v1(23.67,22.86)
  Top w0.5: 33.2,40.06 33.14,40 v1(31.93,40) ; Q15.1 v1(22.53,40) 22.4,40
  Bottom w0.5: 24.95,40 v1(31.93,40) ; 24.95,40 v1(22.53,40) ; 24.95,40 24.95,26.03 23.67,24.76 D43.1 23.2,23.34 v1(23.67,22.86) R76.1 23.04,20.95
Net-(D45-A): length 3.2
  Top w0.5: R83.2 39.43,17.14 D45.2
Net-(D45-K): length 5.4
  Top w0.5: 37.01,17.14 35.74,18.41 32.64,18.41 Q19.3 ; 32.78,18.56 Q19.3 ; Q19.3 32.56,18.41
Net-(D49-A): length 3.6
  Bottom w0.5: D49.2 R92.2
Net-(D50-A1): length 28
  Top w0.4: 96.33,18.68 96.98,19.33 U4.2
  Top w0.5: 96.68,12.04 96.79,11.94 D50.1 ; 96.59,17.02 96.33,16.75 96.33,17.28 ; 96.33,21.51 96.33,16.78
  Top w1: 96.68,20.57 96.68,21.28 ; 98.38,10.67 98.38,4.42 99.24,3.56 98.86,3.56 ; 96.68,20.88 96.68,12.04 ; 97.33,17.02 96.59,17.02
  Bottom w1: v1(96.7,17.14) 96.83,17.02 C7.1
Net-(D53-K): length 34.2
  Top w0.25: U30.10 55.58,22.07
  Top w0.35: 55.58,22.07 v1(54.79,22.86)
  Top w0.5: v1(63.68,40) 64.69,40 Q21.1 ; Q20.1 54.09,40.06 v1(54.41,40)
  Bottom w0.5: v1(54.41,40) 56.7,40 ; 56.7,40 56.7,26.67 54.79,24.76 D53.1 ; 56.7,40 v1(63.68,40) ; 54.56,24.64 54.56,23.09 v1(54.79,22.86) 55.04,22.61 R92.1
Net-(D54-A): length 3
  Top w0.5: 77.02,16.73 D54.2 77.07,19.63 R102.2
Net-(D54-K): length 10.7
  Top w0.5: D54.1 70.39,16.78 68.76,18.41 64.77,18.41 Q23.3
Net-(J15-Pad1): length 12
  Top w0.5: R84.1 181.15,19.69 186.23,19.69 186.23,14.6
Net-(P1-Pad3): length 47.3
  Top w0.5: v1(100.51,60.32) 100.51,58.4 P4.3 ; v1(112.45,60.32) 113.11,59.67 P6.3 ; P5.3 106.73,58.31 v1(106.73,60.32) ; v1(81.33,60.2) 81.36,60.18 P1.3 79.55,58.29 R86.2 ; P2.3 87.68,58.31 v1(87.68,60.32) ; P3.3 94.03,58.31 v1(94.03,60.32) ; 87.17,58.4 87.07,58.29
  Bottom w0.5: v1(81.33,60.2) 81.46,60.32 v1(112.45,60.32)
Net-(P7-Pad2): length 4.7
  Top w0.5: P7.2 136.7,48.79 v1(136.7,50.8)
  Bottom w0.5: v1(136.7,50.8) R100.2
Net-(P8-Pad2): length 6.3
  Top w0.5: v1(129.47,50.8) 129.47,49.04 130.25,48.26
  Bottom w0.5: R101.2 v1(129.47,50.8)
Net-(P9-Pad2): length 3.2
  Top w0.5: P9.2 165.91,54.08 R118.2
Net-(P10-Pad1): length 6.5
  Top w0.5: R119.1 P10.1
